# Altium PCB Inverter.PcbDoc (part 2 of 2)
Units mm, origin at the board's own origin, x right, y up, seen from the top; angles counter-clockwise.
Board outline 174 x 124 mm, 2 copper layers (Top Layer, Bottom Layer); 82 components, 224 nets, 236 pads, 107 vias.
Unrouted connection lines stored in the file: 52.
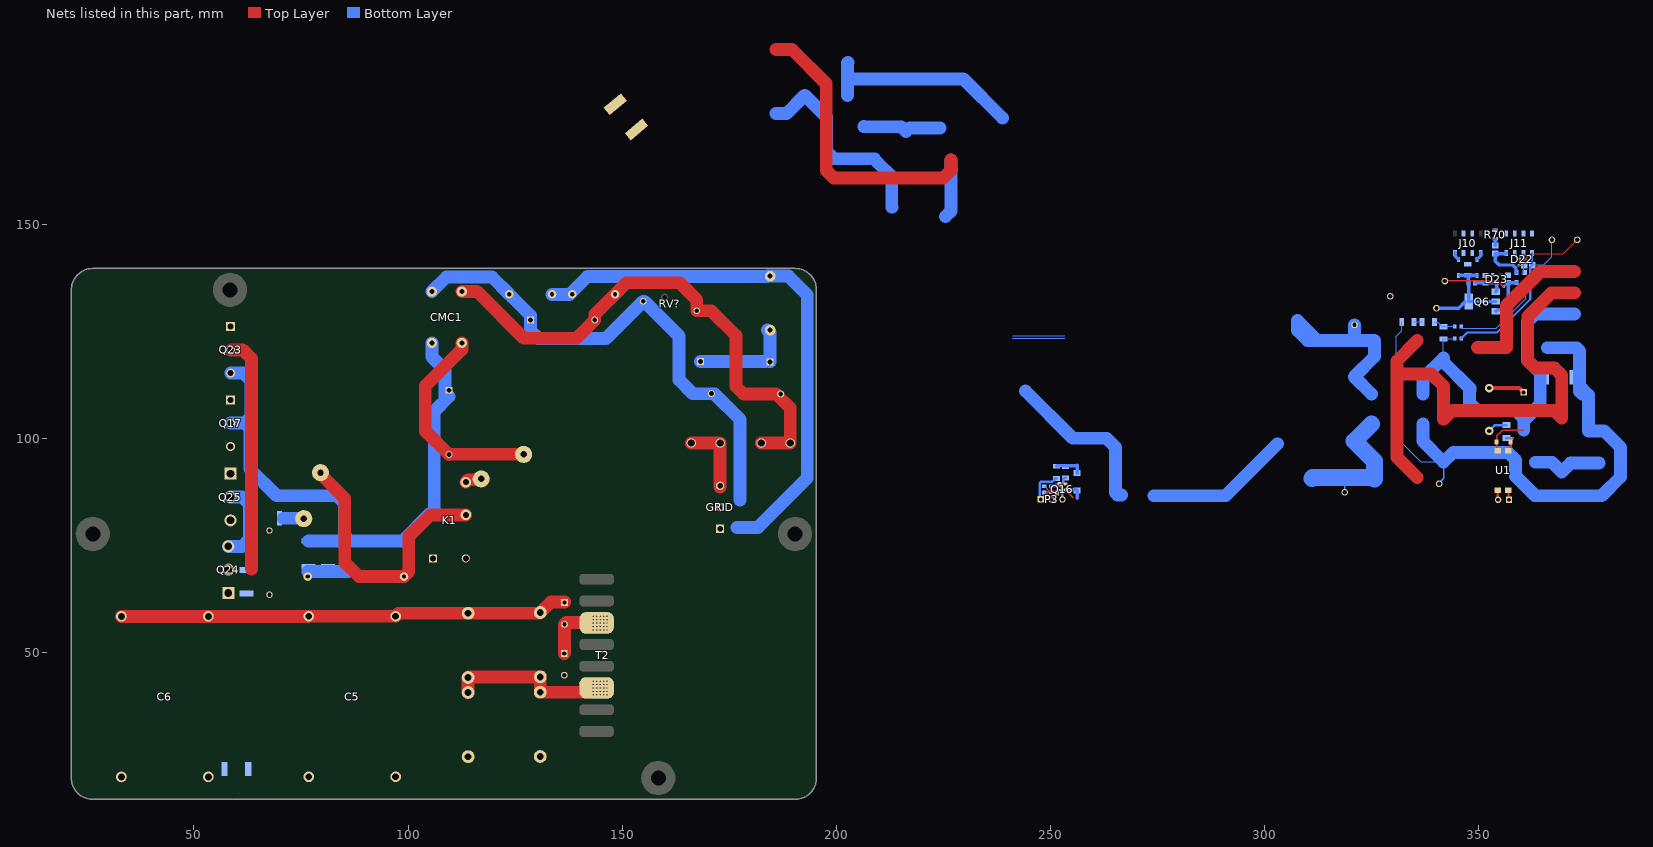
[diagram p2: the nets of this part, all layers, seen from the top]

## Part data (continued)
Q24 Q25: library part CMP-2000-06042-1, "Silicon Carbide Power MOSFET C2M(TM) MOSFET Technology, 1200 V, 90 A, -55 to 150 degC, 3-Pin TO-247, RoHS, Tube", Id - Continuous Drain Current=90A, Manufacturer=Cree,Inc., Maximum Operating Temperature=+150C, Minimum Operating Temperature=-55C, Package / Case=TO-247-3, Package Description="3-Pin Flange Mount, Vertical Straight Lead, Body 15.94 x 5.02 mm, Pitch 5.44 mm", Pd - Power Dissipation=463W, Rds On - Drain-Source Resistance=25mOhms, Vds - Drain-Source Breakdown Voltage=1200V, Vgs - Gate-Source Voltage=-10V,+25V, Vgs th - Gate-Source Threshold Voltage=2.4V, Brand=Cree,Inc., Channel Mode=Enhancement, Configuration=Single, Datasheet URL=http://www.wolfspeed.com/media/downloads/161/C2M0025120D.pdf, Datasheet Version="Rev. B, 10/2015", Factory Pack Quantity=30, Fall Time=28.4ns, Forward Transconductance - Min=23.6S, Height=21.1mm, Id=90A, Length=5.21mm, Manufacturer URL=http://www.cree.com/, Mounting Style=ThroughHole, Mounting Technology=ThroughHole, Number of Channels=1Channel, Package Reference=TO-247-3, Packaging=Tube, Product=PowerMOSFET, Product Category=MOSFET, Qg - Gate Charge=406nC, RDS(on)=0.025Ohm, Rise Time=31.6ns, RoHS=True, Technology=SiC, Transistor Polarity=N-Channel, Transistor Type=1N-Channel, Trr=32ns, Type=SiliconCarbidePowerMOSFET, Typical Turn-Off Delay Time=28.8ns, Typical Turn-On Delay Time=14.4ns, Unit Weight=1.340411oz, Vdss=1200V, Vgss=20V, Vth=2.6V, Width=16.13mm
R1: library part CMP-2100-03616-1, "Chip Resistor, 1 KOhm, +/- 1%, 0.25 W, -55 to 155 degC, 1206 (3216 Metric), RoHS, Tape and Reel", Case Code (Imperial)=1206, Case Code (Metric)=3216, Manufacturer="Vishay Semiconductor", Manufacturer Part Number=CRCW12061K00FKEA, Max Operating Temperature=155degC, Max Power Dissipation=250mW, Min Operating Temperature=-55degC, Package Description="2-Pin Surface Mount Device, Body 3.15 x 1.6 mm", Package Quantity=10, Package Reference=1206.0, Resistance=1KOhm, Supplier Part Number 1=541-1.00KFCT-ND, Temperature coefficient=100ppm/degreesC, Tolerance=1%, Voltage Rating=200V, Case/Package=1206, Category="Chip SMD Resistors", ComponentLink1Description=https://datasheet.ciiva.com/11809/0900766b80d98b5e-11809896.pdf?src-supplier=RSComponents, ComponentLink1URL=https://datasheet.ciiva.com/11809/0900766b80d98b5e-11809896.pdf?src-supplier=RSComponents, ComponentLink2Description=https://datasheet.ciiva.com/9109/dcrcwe3-9109926.pdf?src-supplier=Avnet, ComponentLink2URL=https://datasheet.ciiva.com/9109/dcrcwe3-9109926.pdf?src-supplier=Avnet, ComponentLink3Description=https://datasheet.ciiva.com/6541/dcrcwe3-6541976.pdf?src-supplier=Digi-Key, ComponentLink3URL=https://datasheet.ciiva.com/6541/dcrcwe3-6541976.pdf?src-supplier=Digi-Key, ComponentLink4Description=https://datasheet.ciiva.com/6541/dcrcwe3-6541977.pdf?src-supplier=Digi-Key, ComponentLink4URL=https://datasheet.ciiva.com/6541/dcrcwe3-6541977.pdf?src-supplier=Digi-Key, ComponentLink5Description=https://datasheet.ciiva.com/5549/dcrcwe3-109170-5549546.pdf?src-supplier=Mouser, ComponentLink5URL=https://datasheet.ciiva.com/5549/dcrcwe3-109170-5549546.pdf?src-supplier=Mouser, ComponentLink6Description=https://datasheet.ciiva.com/6541/dcrcwe3-6541978.pdf?src-supplier=Digi-Key, ComponentLink6URL=https://datasheet.ciiva.com/6541/dcrcwe3-6541978.pdf?src-supplier=Digi-Key, ComponentLink7Description=https://datasheet.ciiva.com/46441/1720486-46441629.pdf?src-supplier=Element14, ComponentLink7URL=https://datasheet.ciiva.com/46441/1720486-46441629.pdf?src-supplier=Element14, ComponentLink8Description=https://datasheet.ciiva.com/46441/1720486-46441630.pdf?src-supplier=Element14, ComponentLink8URL=https://datasheet.ciiva.com/46441/1720486-46441630.pdf?src-supplier=Element14, Composition=ThickFilm, Contact Plating=Tin, Datasheet URL=http://www.farnell.com/datasheets/1720486.pdf, Datasheet Version=41061.0, Depth=1.6mm, Features="Automotive AEC-Q200", Height=0.55mm, Lead Free=LeadFree, Length=3.2mm, Manufacturer URL=http://www.vishay.com/, Military Standard=Not, Mount=SurfaceMount, Number of Pins=2, Number of Terminations=2, Packaging=TapeandReel, Power Rating=250mW, Pricing 1="1=0.10000, 10=0.07600, 100=0.02930, 1000=0.01287, 2500=0.01112 (USD)", Radiation Hardening=No, REACH SVHC=Unknown, RoHS=Yes, RoHSCompliant=true, Stock 1=410759, Supplier 1=Digi-Key, Termination=SMD/SMT, Voltage Rating (DC)=200V, Weight=0.000353oz, Width=0.063inch
R2: library part CMP-1018-00146-1, "1M 1W 5% 2512 (6432 Metric)  SMD", Case-EIA=2512, Case-Metric=6432, Power="1 W", Tolerance="5 %", Technology=SMT
R4: library part CMP-1659-00020-2, "Chip Resistor, 330 Ohm, +/- 1%, 0.1 W, -55 to 155 degC, 0603 (1608 Metric), RoHS, Tape and Reel", Capacitance="47 uF", Case Code (Imperial)=2917, Case Code (Metric)=7343, Manufacturer=Yageo, Manufacturer Part Number=RC0603FR-07330RL, Max Operating Temperature=125degC, Max Power Dissipation=100mW, Min Operating Temperature=-55degC, Package Quantity=500, Resistance=330R, Supplier Part Number 1=311-330HRCT-ND, Temperature coefficient=100ppm/°C, Tolerance=10%, Voltage Rating="16 V", Case/Package=2917, Category="Chip SMD Resistors", ComponentLink1Description="Manufacturer URL", ComponentLink1URL=http://www.yageo.com/, ComponentLink2Description=Datasheet, ComponentLink2URL=http://www.yageo.com/documents/recent/PYu-RC_Group_51_RoHS_L_04.pdf, ComponentLink3Description=https://datasheet.ciiva.com/11819/0900766b80f96399-11819327.pdf?src-supplier=RSComponents, ComponentLink3URL=https://datasheet.ciiva.com/11819/0900766b80f96399-11819327.pdf?src-supplier=RSComponents, ComponentLink4Description=https://datasheet.ciiva.com/2454/pyu-r-int-thick-7-2454864.pdf?src-supplier=Digi-Key, ComponentLink4URL=https://datasheet.ciiva.com/2454/pyu-r-int-thick-7-2454864.pdf?src-supplier=Digi-Key, ComponentLink5Description=https://datasheet.ciiva.com/2454/pyu-r-int-thick-7-2454865.pdf?src-supplier=Digi-Key, ComponentLink5URL=https://datasheet.ciiva.com/2454/pyu-r-int-thick-7-2454865.pdf?src-supplier=Digi-Key, ComponentLink6Description=https://datasheet.ciiva.com/2454/pyu-r-int-thick-7-2454866.pdf?src-supplier=Digi-Key, ComponentLink6URL=https://datasheet.ciiva.com/2454/pyu-r-int-thick-7-2454866.pdf?src-supplier=Digi-Key, ComponentLink7Description=https://datasheet.ciiva.com/12555/rc0603-272842-12555334.pdf?src-supplier=Mouser, ComponentLink7URL=https://datasheet.ciiva.com/12555/rc0603-272842-12555334.pdf?src-supplier=Mouser, ComponentLink8Description=https://datasheet.ciiva.com/46440/1868787-46440904.pdf?src-supplier=Element14, ComponentLink8URL=https://datasheet.ciiva.com/46440/1868787-46440904.pdf?src-supplier=Element14, ComponentLink9Description=https://datasheet.ciiva.com/7746/443971-7746329.pdf?src-supplier=Element14, ComponentLink9URL=https://datasheet.ciiva.com/7746/443971-7746329.pdf?src-supplier=Element14, ComponentLink10Description=https://datasheet.ciiva.com/7746/443971-7746330.pdf?src-supplier=Element14, ComponentLink10URL=https://datasheet.ciiva.com/7746/443971-7746330.pdf?src-supplier=Element14, ComponentLink11Description=https://datasheet.ciiva.com/7746/1686128-7746331.pdf?src-supplier=Element14, ComponentLink11URL=https://datasheet.ciiva.com/7746/1686128-7746331.pdf?src-supplier=Element14, Composition="Thick Film", DatasheetVersion="Rev. 4, 02/2016", Depth=0.8mm, ESR="800 mohm", Features="Moisture Resistant", Height="3.1 mm", Lead Free="Lead Free", Length="7.3 mm", Mount="Surface Mount", Number of Pins=2, Number of Terminations=2, PackageDescription="2-Pin Surface Mount Device, Body 1.6 x 0.8 mm", PackageReference=0603, Packaging="Tape and Reel", Pins=2, Power Rating=100mW, Pricing 1="1=0.10000, 10=0.02300, 100=0.00940, 1000=0.00421, 2500=0.00366 (USD)", Radiation Hardening=No, REACH SVHC="No SVHC", RoHS=Yes, RoHSCompliant=True, Stock 1=4209654, Supplier 1=Digi-Key, Termination=SMD/SMT, Voltage Rating (DC)="16 V", Width="4.3 mm"
R5a R6a: library part CMP-2000-07420-1, "Chip Resistor, 50 mOhm, +/- 1%, 1 W, -65 to 170 degC, 2512 (6432 Metric), RoHS, Tape and Reel", Manufacturer=Vishay, Package Description="2-Pin Surface Mount Device, Body 6.35 x 3.18 mm", Package Reference=2512, Power Rating=1W, Resistance=0.05ohm, Resistance Tolerance=±1%, Resistor Case Style=2512[6432Metric], Resistor Element Type=MetalStrip, Temperature coefficient=±75ppm/°C, Automotive Qualification Standard=AEC-Q200, Datasheet URL=http://www.vishay.com/docs/30100/wsl.pdf, Datasheet Version=07/2016, Manufacturer URL=http://www.vishay.com/, Mounting Technology=SurfaceMount, MSL=MSL1-Unlimited, Packaging=CutTape, Product Range=WSLSeries, SVHC=NoSVHC(15-Jun-2015)
R7 R8 R9 R78: library part CMP-1018-00397-1, "0.025R 1W 1% 2512 (6432 Metric)  SMD", Case-EIA=2512, Case-Metric=6432, Power="1 W", Tolerance="1 %", Technology=SMT
R25 R27: library part CMP-1014-00867-1, "1M5 0.25W 1% 1206 (3216 Metric)  SMD", Case-EIA=1206, Case-Metric=3216, Power="0.25 W", Tolerance="1 %", Technology=SMT
R28 R30: library part CMP-2100-03667-1, "Chip Resistor, 0 Ohm, +/- 5%, 0.1 W, -55 to 155 degC, 0603 (1608 Metric), RoHS, Tape and Reel", Case Code (Imperial)=0603, Case Code (Metric)=1608, Manufacturer=Yageo, Max Operating Temperature=155degC, Min Operating Temperature=-55degC, Package Description="2-Pin Surface Mount Device, Body 1.6 x 0.8 mm", Package Quantity=5000, Power Rating=100mW, Resistance=0mOhm, Temperature coefficient=200ppm/degreesC, Tolerance=5%, Voltage Rating=50V, Case/Package=0603, Composition=ThickFilm, Contact Plating=Tin, Datasheet URL=http://www.yageo.com/NewPortal/yageodocoutput?fileName=/pdf/R-Chip/PYu-RC_Group_51_RoHS_L_5.pdf, Datasheet Version="Rev. 5, 10/2016", Depth=0.8mm, Height=0.45mm, Lead Free=LeadFree, Length=1.6mm, Manufacturer URL=http://www.yageo.com/, Military Standard=Not, Number of Pins=2, Package Reference=0603, Packaging=TapeandReel, Radiation Hardening=No, REACH SVHC=NoSVHC, RoHSCompliant=true, Termination=SMD/SMT, Voltage Rating (DC)=50V, Width=0.8mm
R29: library part CMP-2003-02667-1, Manufacturer=Susumu, Part Number=RG3216P-1002-B-T5
R37 R38: library part CMP-2000-07379-1, "Metal-Oxide Varistor, 275 VAC, 450 pF, -55 to 85 degC, 2-Pin THD, RoHS, Tape and Reel", Capacitance=450pF, Clamping Voltage-Max=710V, Manufacturer=Littelfuse, Package Description="4-Pin Through Hole Device, Body 17 x 5.6 mm, Pitch 7.5 mm", Peak Output Current=4500A, Rated Voltage=369V, RMS Voltage-Max=275V, Datasheet URL=http://www.littelfuse.com/~/media/electronics/datasheets/varistors/littelfuse_varistor_la_datasheet.pdf.pdf, Datasheet Version=11/2015, Manufacturer URL=http://www.littelfuse.com/, Mounting Technology=ThroughHole, Package Reference=V275LA20AP
R41: library part CMP-2001-00558-1, Case Code (Imperial)=0805, Case Code (Metric)=2012, Manufacturer=Panasonic, Manufacturer Part Number=ERJ-6ENF5601V, Max Operating Temperature=155°C, Max Power Dissipation=125mW, Min Operating Temperature=-55°C, Package Quantity=1, Part Number=ERJ6ENF5601V, Resistance=5.6kR, Supplier Part Number 1=P5.60KCCT-ND, Temperature coefficient=100ppm/°C, Tolerance=1%, Voltage Rating=150V, Case/Package=0805, Category="Chip SMD Resistors", ComponentLink1Description=https://datasheet.ciiva.com/11821/0900766b80f80784-11821697.pdf?src-supplier=RSComponents, ComponentLink1URL=https://datasheet.ciiva.com/11821/0900766b80f80784-11821697.pdf?src-supplier=RSComponents, ComponentLink2Description=https://datasheet.ciiva.com/17212/aoa0000ce2-17212901.pdf?src-supplier=Avnet+Europe, ComponentLink2URL=https://datasheet.ciiva.com/17212/aoa0000ce2-17212901.pdf?src-supplier=Avnet+Europe, ComponentLink3Description=https://datasheet.ciiva.com/22737/426256-22737287.pdf?src-supplier=Element14, ComponentLink3URL=https://datasheet.ciiva.com/22737/426256-22737287.pdf?src-supplier=Element14, ComponentLink4Description=https://datasheet.ciiva.com/46420/1678782-46420327.pdf?src-supplier=Element14, ComponentLink4URL=https://datasheet.ciiva.com/46420/1678782-46420327.pdf?src-supplier=Element14, ComponentLink5Description=https://datasheet.ciiva.com/9195/aoa0000ce2-9195464.pdf?src-supplier=Avnet, ComponentLink5URL=https://datasheet.ciiva.com/9195/aoa0000ce2-9195464.pdf?src-supplier=Avnet, ComponentLink6Description=https://datasheet.ciiva.com/16784/70260748-16784840.pdf?src-supplier=Allied+Electronics, ComponentLink6URL=https://datasheet.ciiva.com/16784/70260748-16784840.pdf?src-supplier=Allied+Electronics, ComponentLink7Description=https://datasheet.ciiva.com/6138/426256-6138793.pdf?src-supplier=Farnell, ComponentLink7URL=https://datasheet.ciiva.com/6138/426256-6138793.pdf?src-supplier=Farnell, ComponentLink8Description=https://datasheet.ciiva.com/16771/70260748-16771098.pdf?src-supplier=Allied+Electronics, ComponentLink8URL=https://datasheet.ciiva.com/16771/70260748-16771098.pdf?src-supplier=Allied+Electronics, ComponentLink9Description=https://datasheet.ciiva.com/16512/aoa0000ce2-16512011.pdf?src-supplier=Avnet+Asia, ComponentLink9URL=https://datasheet.ciiva.com/16512/aoa0000ce2-16512011.pdf?src-supplier=Avnet+Asia, ComponentLink10Description=https://datasheet.ciiva.com/22673/1678782-22673707.pdf?src-supplier=Element14, ComponentLink10URL=https://datasheet.ciiva.com/22673/1678782-22673707.pdf?src-supplier=Element14, ComponentLink11Description=https://datasheet.ciiva.com/24024/aoa0000ce2-24024829.pdf?src-supplier=Mouser, ComponentLink11URL=https://datasheet.ciiva.com/24024/aoa0000ce2-24024829.pdf?src-supplier=Mouser, ComponentLink12Description=https://datasheet.ciiva.com/30195/aoa0000ce2-30195103.pdf?src-supplier=Onlinecomponents.com, ComponentLink12URL=https://datasheet.ciiva.com/30195/aoa0000ce2-30195103.pdf?src-supplier=Onlinecomponents.com, Composition="Thick Film", Contact Plating=Tin, Depth=1.25mm, Features="Automotive AEC-Q200", Height=0.6mm, Lead Free="Lead Free", Length=2mm, Military Standard=Not, Mount="Surface Mount", Number of Pins=2, Number of Terminations=2, Packaging="Tape and Reel", Power Rating=125mW, Pricing 1="1=0.10000, 10=0.07200, 100=0.02750, 1000=0.01210, 2500=0.01045 (USD)", Radiation Hardening=No, REACH SVHC="No SVHC", RoHS=Yes, Stock 1=87265, Supplier 1=Digi-Key, Termination=SMD/SMT, Voltage Rating (DC)=150V, Width=0.049inch
R43: library part CMP-2003-00635-1, Manufacturer=Panasonic, Part Number=ERJ-8GEYJ471V
R48: library part CMP-2000-00772-1, Manufacturer=Panasonic, Part Number=ERJ-3GEYJ331V
R50: library part CMP-2000-00705-1, Manufacturer=Panasonic, Part Number=ERJ-3GEYJ104V
R70: library part RES-2, "Chip Resistor, 0 Ohm, +/- 5%, 125 mW, -55 to 155 degC, 0805 (2012 Metric), RoHS, Tape and Reel", Case Code (Imperial)=0805, Case Code (Metric)=2012, Manufacturer="Basic Passives", Max Operating Temperature="155 degC", Min Operating Temperature="-55 degC", Package Quantity=5000, PartNumber=ERJ-6GEY0R00V, Power Rating="125 mW", Resistance="0 Ohm", Tolerance=5%, Voltage Rating="150 V", Case\/Package=0805, ComponentLink1Description="Manufacturer URL", ComponentLink1URL=http://www.panasonic.com/, ComponentLink2Description=Datasheet, ComponentLink2URL=http://industrial.panasonic.com/cdbs/www-data/pdf/RDA0000/AOA0000C84.pdf, DatasheetVersion=03/2015, Height="0.6 mm", Length="2 mm", Mount="Surface Mount", Mounting Technology="Surface Mount", PackageDescription="2-Pin Surface Mount Device, Body 2 x 1.25 mm", PackageReference=0805, Packaging="Tape and Reel", Pins=2, Radiation Hardening=No, REACH SVHC="No SVHC", RoHSCompliant=true, Width="1.25 mm"
RELAY: library part CMP-1426-00002-1, "SMD mono-color Chip LED, WL-SMCW, Green", Color=Green, Manufacturer="Wuerth Elektronik", ComponentLink1Description="Manufacturer URL", ComponentLink1URL=http://www.we-online.com, ComponentLink2Description=Datasheet, ComponentLink2URL=http://katalog.we-online.com/led/datasheet/150060GS75000.pdf, PackageReference=0603_A, PartNumber=150060GS75000
RV?: "Varistor", Manufacturer_Name=TDK, Mouser Part Number=871-B72220W2271K101, Arrow Part Number=B72220W2271K101, Arrow Price/Stock=https://www.arrow.com/en/products/b72220w2271k101/epcos-tdk, Datasheet Link=https://www.arrow.com/en/products/b72220w2271k101/epcos-tdk, Height=28mm, Manufacturer_Part_Number=B72220W2271K101, Mouser Price/Stock=https://www.mouser.co.uk/ProductDetail/EPCOS-TDK/B72220W2271K101?qs=MLItCLRbWsyJpqc0ycUBjw%3D%3D
T2: library part TI-ETD39-200V-2A-LLC, "Lr=1.9uH / Lm=10.2uH / n=5.7 / Vin=30-40V / Vout=200V"
TP1 TP2 TP11 TP12 TP14 TP15 TP25 TP26: library part CMP-2000-05182-1, "Test Point, White, 1-Pin THD, RoHS, Bulk", Color=White, Manufacturer=KeystoneElectronics, Brand=KeystoneElectronics, Contact Material=PhosphorBronze, Datasheet URL=https://ciiva.com/datasheet-click-2917627?src=ciiva&sig=bd195616, Datasheet Version="Rev. G, 12/2008", Length=7.62mm, Manufacturer URL=http://www.keyelco.com/, Material=Nylon, Mounting Hole Size=1mm, Outside Diameter=2.54mm, Packaging=Bulk, Plating=Silver, Product=TestPoints, Product Category=CircuitBoardHardware-PCB, RoHS=True, Type=Miniature
U1: library part CMP-2000-06278-1, "Phototransistor Optocoupler, 1.2 V, -55 to 110 degC, 4-Pin SMT, RoHS, Tape and Reel", Collector Current (DC)=0.05A, Collector-Emitter Saturation Voltage=0.2V, Collector-Emitter Voltage=70V, Current Transfer Ratio=160%, Forward Current=50mA, Forward Voltage=1.4V, Isolation Voltage=5000V, Manufacturer="Fairchild Semiconductor", Operating Temp Range=-55Cto110C, Operating Temperature Classification=Industrial, Package Description="4-Pin Surface Mount Device, Body 6.5 x 4.6 mm, Pitch 2.54 mm", Package Reference=SMT-4, Package Type=PDIP-BSMD, Power Dissipation=0.2W, Reverse Breakdown Voltage=6V, Collector Current (DC) (Max)=0.05A, Datasheet URL=https://www.fairchildsemi.com/datasheets/FO/FOD814A.pdf, Datasheet Version="Rev. 2.8, 11/2015", DELETED=Compliant, Fall Time=18000ns, Input Type=DC, Manufacturer URL=https://www.fairchildsemi.com/, Mounting=SurfaceMount, Mounting Technology=SurfaceMount, Number of  Elements=1, Output Device=Transistor, Output Type=DC, Package URL=https://www.fairchildsemi.com/package-drawings/N0/N04C.pdf, Packaging=TapeandReel, Pin Count=4, Rad Hardened=No, Rise Time=18000ns
VM: "Header, 2-Pin", LatestRevisionDate=17-Jul-2002, LatestRevisionNote="Re-released for DXP Platform.", Publisher="Altium Limited"
VAR3: LatestRevisionDate=17-Jul-2002, LatestRevisionNote="Re-released for DXP Platform.", Publisher="Altium Limited"

## Free pads (board coordinates)
  rect 1.5x1.5 hole 4: 19(227.375,100.95) 20(211.1,68.7) 21(274.475,113.8) 22(287.625,111.5)
  round 8 hole 3.5: H2(58.425,134.625) H4(158.425,20.625) H5(190.375,77.625) H6(26.375,77.625)

## Via types
v1: diameter 0.6, hole 0.3, Top Layer to Bottom Layer, tented both sides, 107 vias

## Nets (pads, with @x,y where several pads share a name; then routed paths per layer and width w, separated by ;. In a path a pad name is that pad's centre, name@x,y a point inside that pad or via, vN(x,y) a via of type N, cw(c..) or ccw(c..) an arc to the next point about the centre after c; other vN are vias at no path point)
ADC1_IN1: 
ADC_TRIG: 
AHV_GND: C1.2 C3.2 C5.2 C6.2 C8.1 D4.2 Q17.3 Q25.3 R6a.1 R6a.2
AUX_OUT: 
BOTT_IGBT_DRV: 
BOTT_MOS_DRV: 
COMP2_OUT_OCD: 
COMP4_OUT_OVD: 
COMP4_VINP: 
DRV_EN: 
"EARTH GND": C35.1 C37.2 GDT1.2 GRID.2 | length 301.7
  Top Layer w3: 335.675,90.775 330.925,95.525 330.925,114.625 ; 335.675,122.775 330.925,118.025 330.925,114.625 ; 366.6,106.45 343.875,106.45 341.825,104.4 341.8,104.425 341.8,112.15 338.95,115 331.3,115 330.925,114.625 ; 367.65,106.45 369.4,104.7 369.4,114.668 367.718,116.35 363.24,116.35 361.483,118.107 361.483,128.408 367.025,133.95 372.375,133.95
  Bottom Layer w3: C37.2@133.625,133.525 137.725,133.525 141.925,137.725 GDT1.2@183.95,137.725 ; 176.775,79.125 181.675,79.125 193.225,90.675 193.225,133.45 188.85,137.825 GDT1.2@183.95,137.825 ; 202.625,180.05 202.625,183.85 ; 202.7,187.725 202.625,187.65 202.625,183.85 ; 238.8,174.75 229.65,183.9 215.975,183.9 215.925,183.85 202.625,183.85
GND: C38.1 P3.3 Q16.2 R50.1 U1.3 VM.2 | length 11.2
  Top Layer w0.6: U1.3@354.43,87.85 354.495,87.785 354.495,85.665 VM.2@354.56,85.6
  Bottom Layer w0.6: R50.1@250.125,88.725 250.225,88.825 251.425,88.825 251.675,89.075 252.375,89.075 253,89.7 253,90.45 253.25,90.7 C38.1@253.55,90.7 ; Q16.2@251.525,88.925 251.675,88.775 252.464,88.775 252.815,88.424 P3.3@252.815,85.675
HV_MID_MOS: Q24.3 Q25.2 R78.1 | length 31.1
  Bottom Layer w0.254: 241.25,123.875 253.401,123.875
  Bottom Layer w3: Q24.3@58.025,74.715 61.215,74.715 63,76.5 63,80.7 63,84.483 61.243,86.24 Q25.2@58.525,86.24
isoADC_TRIG: 
isoGND: 
isoSPI1_MISO: 
isoSPI1_MOSI: 
isoSPI1_SCK: 
isoV_3V3A: 
L_GRID: C17.2 C35.2 CMC1.3 F1.1 F1.2 R2.2 R25.2 R37.2 RV?.1 TP26.1 | length 322.7
  Top Layer w3: CMC1.3@112.55,134.225 116.125,134.225 127.025,123.325 139.35,123.325 C17.2@143.6,127.575 143.6,128.875 C35.2@148.325,133.6 151.025,136.3 163.425,136.3 167.4,132.325 RV?.1@167.4,129.75 170.75,129.75 176.55,123.95 176.55,112.082 178.307,110.325 185.95,110.325 189.243,107.032 F1.2@189.243,98.838 F1.1@182.483,98.838
  Bottom Layer w0.254: R25.2@332.05,127.125 332.05,125.1 330.775,123.825 330.775,100.175 336.525,94.425 341.8,94.425 341.825,94.4
  Bottom Layer w0.3: TP26.1@340.775,89.35 340.775,89.633 341.825,90.683 341.825,94.4
  Bottom Layer w3: 185.9,175.775 188.35,175.775 192.625,180.05 197.675,175 197.675,167.007 199.432,165.25 208.9,165.25 ; 209.6,164.375 212.95,161.025 212.95,153.95 212.975,153.925 ; 336.975,103.3 336.975,99.3 341.825,94.45 341.825,94.4 344.075,96.65 356.893,96.65 358.65,94.893 358.65,91.082 363.207,86.525 378.775,86.525 383.157,90.907 383.157,97.843 379.3,101.7 375.625,101.7 375.625,110.1 374.25,111.475 ; 366.083,121.113 372.843,121.113 373.6,120.356 373.6,110.9 374.25,110.25
L_GRID_MAINS: F2.1 F2.2 GRID.3 | length 52.8
  Top Layer w3: F2.1@166.12,98.85 F2.2@172.88,98.85 GRID.3@172.88,88.57 ; 349.72,121.125 356.48,121.125 356.48,130.93 364.5,138.95 372.375,138.95
N_GRID: C17.1 C37.1 CMC1.4 D1.2 GRID.1 R2.1 R30.1 R38.2 RV?.3 U1.2 | length 298.4
  Top Layer w0.4: U1.2@354.43,97.05 354.215,97.265 D1.2@354.215,99.1 354.215,100.49 355.575,101.85 360.525,101.85
  Top Layer w3: 185.9,190.775 189.65,190.775 197.65,182.775 197.65,162.507 199.407,160.75 224.993,160.75 226.75,162.507 226.75,164.925
  Bottom Layer w0.254: 340.77,119.648 341.693,118.725 341.8,118.725 341.8,123.15 341.898,123.248 R30.1@344.425,123.248
  Bottom Layer w3: CMC1.4@105.55,134.225 108.975,137.65 119.575,137.65 C37.1@123.625,133.6 ; C37.1@124.275,132.95 128.6,128.625 C17.1@128.6,127.575 128.6,125.1 130.4,123.3 146.25,123.3 RV?.3@154.9,131.95 155.125,131.95 163.3,123.775 163.3,113.575 166.5,110.375 171.525,110.375 177.55,104.35 177.55,85.525 ; 225.475,151.725 226.75,153 226.75,164.925 ; 336.975,110.3 336.975,113.875 341.8,118.7 ; 341.8,118.725 341.8,118.7 ; 360.525,101.85 360.525,104.075 364.412,107.962 364.412,112.412 ; 360.525,104.575 358.625,106.475 349.669,106.475 347.911,108.232 347.911,111.143 347.95,111.181 347.95,111.65 341.8,117.8 341.8,118.7 ; 364.395,112.72 364.395,115.205 361.4,118.2 361.4,127.193 363.157,128.95 372.375,128.95
NetC1_1: C1.1 C2.2 C3.1 C4.2 T2.11 | length 38.6
  Top Layer w3: C3.1@114.025,40.6 C4.2@114.025,44.1 114.175,44.25 C2.2@130.875,44.25 C1.1@130.875,40.9 ; C1.1@130.85,40.65 139.781,40.65 139.783,40.652 142.238,40.652 v1(143.238,41.652)
  Top Layer w4: T2.11@142.038,41.475 142.215,41.652 v1(143.238,41.652) v1(144.038,41.652)
  other v1: 143.25,40.05 144.05,40.05 144.875,40.05 145.675,40.05 146.475,40.05 143.25,40.85 144.05,40.85 144.875,40.85 145.675,40.85 146.475,40.85 144.863,41.652 145.663,41.652 146.463,41.652 143.25,42.45 144.05,42.45 144.875,42.45 145.675,42.45 146.475,42.45 143.25,43.25 144.05,43.25 144.875,43.25 145.675,43.25 146.475,43.25
NetC2_1: C2.1 C4.1 C5.1 C6.1 C8.2 D3.1 R5a.1 | length 104.7
  Top Layer w3: C6.1@33.05,58.375 C5.1@76.77,58.375 ; C5.1@76.8,58.405 C5.1@97.1,58.405 97.795,59.1 C2.1@130.725,59.1 ; C2.1@130.875,59.25 133.375,61.75 D3.1@136.6,61.75
NetC10_1: 
NetC10_2: Q6.2 Q6.4
NetC11_1: L10.1
NetC11_2: 
NetC12_2: 
NetC13_1: 
NetC14_1: C14.1 R1.2 | length 4.6
  Bottom Layer w0.6: C14.1@352.475,101.675 353.85,103.05 R1.2@356.475,103.05
NetC14_2: C14.2 VAR3.1 | length 8.2
  Top Layer w1: C14.2@352.75,111.7 359.475,111.7 VAR3.1@360.5,110.675
NetC15_1: C16.1 CMC1.1 Q17.2 Q23.3 R7.1 R8.1 R9.1 TP15.1 | length 186.3
  Bottom Layer w3: Q17.2@58.55,103.5 61.768,103.5 ; Q23.3@58.575,115.175 61.568,115.175 63.325,113.418 63.325,105.057 61.768,103.5 ; R9.1@76.75,75.975 76.763,75.988 81.3,75.988 85.737,75.988 R7.1@85.75,76 ; 105.2,82.45 98.75,76 R7.1@85.75,76 ; CMC1.1@105.55,122.225 105.55,119 108.65,115.9 108.65,109.7 ; 106.1,82.45 106.1,106.25 109.55,109.7 ; TP15.1@321.025,126.45 321,126.425 321,122.775 ; 324.975,110.3 320.95,114.325 325.675,119.05 325.675,122.775 321,122.775 ; 61.768,103.5 63.075,102.193 63.075,92.8 69.325,86.55 83.443,86.55 85.2,84.793 85.2,77.25 85.75,76.7 R7.1@85.75,76 ; 312.4,122.775 321,122.775 ; 312.4,122.775 310.053,122.775 307.71,125.118 307.71,127.465 312.4,122.775
NetC15_2: TP14.1
NetC16_2: C16.2 CMC1.2 L3.1 TP25.1 | length 83.1
  Top Layer w3: C16.2@109.55,96.175 104.025,101.7 104.025,112.15 112.55,120.675 CMC1.2@112.55,122.225 ; C16.2@109.85,96.225 L3.1@126.519,96.225
  Bottom Layer w0.3: TP25.1@318.75,87.35 318.75,90.775
  Bottom Layer w4: 311.096,90.604 311.267,90.775 318.75,90.775 325.675,90.775 ; 324.975,103.3 321,99.325 320.95,99.325 325.675,94.6 325.675,90.775 ; 325.675,90.45 325.675,90.775
NetC18_2: 
NetC26_2: 
NetC27_2: 
NetC28_1: 
NetC28_2: 
NetC29_1: 
NetC29_2: 
NetC31_1: 
NetC31_2: 
NetC32_2: 
NetC33_1: C33.1 R7.2 R8.2 R9.2 | length 9.4
  Bottom Layer w3: 76.55,68.85 81.3,68.85 85.95,68.85
NetC33_2: C33.2 K1.3 L2.1 | length 101.7
  Top Layer w3: L2.1@79.538,91.614 85.225,85.927 85.225,70.975 88.525,67.675 C33.2@99.05,67.675 100.15,68.775 100.15,77 105.225,82.075 K1.3@113.475,82.075
  Bottom Layer w3: 244.196,110.985 255.207,99.975 ; 254.825,100.425 255.275,99.975 ; 256.275,99.975 263.075,99.975 265.175,97.875 265.175,87.225 265.675,86.725 266.6,86.725
NetC38_2: C38.2 D10.2 K1.1 R43.1 | length 6.8
  Bottom Layer w0.8: R43.1@251.425,93.425 251.575,93.575 253.55,93.575 256.045,93.575 ; 256.045,93.425 256.233,93.612 ; D10.2@256.225,91.815 256.233,91.822 256.233,93.612 ; 256.24,93.62 256.233,93.612
NetC40_2: 
NetC41_1: 
NetC41_2: 
NetC42_1: 
NetC45_1: C45.1 C46.1 C47.1 C48.1 D22.1 D23.1 J10.3 J10.5 J11.2 J11.4 J11.5 J11.6 J11.7 J11.8 R30.2 R70.1 TP2.1 | length 44.2
  Bottom Layer w0.254: J11.5@360.45,143.255 360.705,143 D22.1@360.705,142.081 ; D22.1@360.65,141.85 360.768,141.732 361.726,141.732 361.875,141.583 361.875,140.925 362.35,140.45 365.175,140.45 367.125,142.4 TP2.1@367.125,146.3
  Bottom Layer w0.5: R30.2@345.95,123.275 347.3,124.625 354.241,124.625 362.05,132.434 362.05,139.925 C46.1@362.5,140.375 ; C46.1@362.45,140.55 J11.7@362.45,143.255
NetC45_2: C45.2 D23.3 R41.1 | length 7.2
  Bottom Layer w0.8: R41.1@349.175,136.275 349.188,136.262 351.613,136.262 C45.2@351.625,136.25 354.175,136.25 354.225,136.2 D23.3@354.225,136.15 354.225,134.425 354,134.2
NetC46_2: C46.2 D22.2 J11.3 L8.2 TP1.1 | length 23.4
  Top Layer w0.254: v1(359.425,140.375) 362.125,143.075 369.825,143.075 TP1.1@373.162,146.412
  Bottom Layer w0.254: J11.3@358.45,143.255 358.768,142.937 358.768,142.017 358.917,141.868 359.632,141.868 359.632,141.318 360.5,140.45 C46.2@360.5,140.375 ; v1@359.4,140.35 v1(359.425,140.375) C46.2@360.5,140.375 ; L8.2@360.5,138.65 C46.2@360.5,140.375 ; C46.2@360.65,140.375 C46.2@360.5,140.375
NetC47_2: C47.2 D20.2 D21.2 R41.2 TP11.1 | length 23.8
  Bottom Layer w0.8: TP11.1@340.15,130.35 345.338,130.35 346.825,131.837 ; D21.2@345.55,138 C47.2@347.5,138 ; C47.2@347.475,138.025 C47.2@347.5,138 ; D20.2@349.575,138 C47.2@347.5,138 ; 354,131.9 347.7,131.9 347.662,131.937 347.662,136.237 R41.2@347.625,136.275 347.55,136.35 347.55,137.95 C47.2@347.5,138
NetC48_2: C48.2 L9.1 TP12.1 | length 26.9
  Top Layer w0.3: TP12.1@342.125,136.75 354.475,136.75 v1(355.85,135.375)
  Bottom Layer w0.3: v1(355.85,135.375) 355.85,135.4 356.8,136.35 C48.2@356.9,136.35
  Bottom Layer w0.8: 354,129.6 354.35,129.95 356.431,129.95 356.9,130.419 C48.2@356.9,136.35 356.925,136.325 L9.1@358.9,136.325
NetC49_1: C49.1 R70.2 | length 1.6
  Bottom Layer w0.8: R70.2@353.9,146.55 353.913,146.55 353.913,145.013 C49.1@353.925,145
NetC49_2: C49.2 J11.1 L9.2 | length 11
  Bottom Layer w0.8: J11.1@356.45,143.255 356.45,143.145 356.405,143.1 354.275,143.1 353.975,143.1 C49.2@353.925,143.1 353.925,141.35 354.85,140.425 357.975,140.425 358.725,139.675 358.725,138.75 L9.2@358.825,138.65
NetC50_2: 
NetC52_2: R29.1
NetC62_2: 
NetC64_1: 
NetC64_2: 
NetC65_1: 
NetC66_1: 
NetC72_2: 
NetC74_2: 
NetC75_2: 
NetC79_2: 
NetC80_2: 
NetC84_2: 
NetC85_2: 
NetC86_2: 
NetC87_2: 
NetC88_1: 
NetC88_2: 
NetC91_1: 
NetC91_2: 
NetC92_1: 
NetC93_2: 
NetC94_2: 
NetC95_2: 
NetC96_1: 
NetC96_2: 
NetC?_2: 
NetD1_1: D1.1 R1.1 U1.1 | length 4.7
  Top Layer w0.6: U1.1@356.97,97.05 357.07,97.05 357.485,97.465 D1.1@357.485,99.1 357.64,99.255 357.64,99.815 v1(357.825,100)
  Bottom Layer w0.6: R1.1@356.475,100 v1(357.825,100)
NetD2_A: 
NetD3_2: D3.2 D4.1 T2.14 | length 16.7
  Top Layer w3: D4.1@136.475,49.715 136.557,49.797 136.557,56.478 D3.2@136.525,56.51 136.93,56.915 141.538,56.915 142.358,56.915 T2.14@142.358,56.092 ; T2.14@142.675,56.575 v1(143.25,56) ; T2.14@143.25,56.985 143.898,56.985 T2.14@144.038,56.845
  Bottom Layer w3: T2.14@145.169,57.137 145.461,56.845 T2.14@146.385,56.845
  other v1: 143.25,55.2 144.05,55.2 144.875,55.2 145.675,55.2 146.475,55.2 144.05,56 144.875,56 145.675,56 146.475,56 143.238,56.802 144.038,56.802 144.863,56.802 145.663,56.802 146.463,56.802 143.25,57.6 144.05,57.6 144.875,57.6 145.675,57.6 146.475,57.6 143.25,58.4 144.05,58.4 144.875,58.4 145.675,58.4 146.475,58.4
NetD5_K: 
NetD6_1: 
NetD7_1: 
NetD10_1: D10.1 K1.4 Q16.3 R4.1 | length 6.6
  Top Layer w0.3: R4.1@253.5,87.85 253.6,87.85 255.369,86.081
  Bottom Layer w0.8: Q16.3@254.05,87.975 256.035,87.975 256.233,87.778 256.233,86.007 256.24,86
NetD11_1: 
NetD12_1: 
NetD13_1: 
NetD14_1: 
NetD15_1: 
NetD19_1: 
NetD20_1: D20.1 J10.7 | length 2
  Bottom Layer w0.8: D20.1@349.625,141.75 349.625,141.9 349.775,141.9 350.455,142.58 350.455,143.21 J10.7@350.5,143.255
NetD21_1: D21.1 J10.1 | length 1.9
  Bottom Layer w0.8: J10.1@344.5,143.255 344.545,143.21 344.545,142.505 345.15,141.9 345.3,141.9 D21.1@345.3,141.75
NetD26_2: 
NetD28_3: 
NetD29_3: 
NetD?_2: K1.2 L3.2 | length 37.8
  Top Layer w3: K1.2@113.475,89.695 114.074,90.294 116.899,90.294 L3.2@117.083,90.478
  Bottom Layer w3: 274.125,86.55 290.878,86.55 303.014,98.686
NetFB5_2: 
NetGDT1_1: GDT1.1 R37.1 R38.1 | length 58.1
  Bottom Layer w3: R38.1@168.325,117.875 183.4,117.875 183.45,117.825 ; GDT1.1@183.95,125.225 184.525,124.65 R37.1@184.525,117.825 ; 206.4,172.75 206.425,172.725 215.1,172.725 216.25,171.575 217.1,172.425 224.25,172.425 ; 363.325,94.35 367.15,94.35 369.4,92.1 371.5,94.2 378.125,94.2
NetIC1_18: 
NetIC1_21: 
NetJ1_1: Q25.1
NetJ1_3: 
NetJ1_5: 
NetJ1_8: 
NetJ3_1: Q17.1
NetJ3_3: 
NetJ3_8: 
NetJ4_1: Q24.1
NetJ4_3: 
NetJ4_5: 
NetJ4_8: 
NetJ9_1: Q23.1
NetJ9_3: 
NetJ9_8: 
NetJ10_4: J10.4 J10.6
NetL2_2: L2.2 R78.2 | length 17.2
  Bottom Layer w0.254: 241.075,123.325 253.376,123.325
  Bottom Layer w3: 70.85,81.275 74.957,81.275 75.358,80.873 L2.2@75.629,80.873
NetL6_1: 
NetL8_1: L8.1 R28.2 | length 22
  Bottom Layer w0.254: R28.2@345.95,126.075 345.95,125.975 346.223,125.702 346.345,125.702 346.372,125.675 354.175,125.675 361.05,132.55 361.05,136 L8.1@360.75,136.3
NetLED1_1: 
NetOUTD1_2: 
NetOUTD1_5: 
NetQ1_1: 
NetQ1_3: 
NetQ2_3: 
NetQ3_2: 
NetQ6_1: Q6.1
NetQ7_2: 
NetQ8_3: 
NetQ9_2: 
NetQ9_5: 
NetQ10_1: 
NetQ10_3: 
NetQ12_1: 
NetQ12_2: 
NetQ12_4: 
NetQ12_5: 
NetQ13_1: 
NetQ14_1: 
NetQ14_3: 
NetQ15_1: 
NetQ16_1: Q16.1 R48.2 R50.2 | length 3.7
  Bottom Layer w0.254: R48.2@248.55,88.775 248.625,88.775 249.752,87.648 249.852,87.648 250.15,87.35 251.028,87.35 251.03,87.348 251.177,87.348 251.5,87.025 Q16.1@251.525,87.025
NetR4_2: R4.2 RELAY.1 | length 1.4
  Top Layer w0.3: RELAY.1@252.075,89.3 252.1,89.275 253.475,89.275 R4.2@253.5,89.25
NetR11_1: 
NetR23_1: 
NetR25_1: R25.1 R27.2 | length 1.8
  Bottom Layer w0.254: R25.1@334.95,127.125 336.75,127.125 R27.2@336.775,127.1
NetR27_1: R27.1 R28.1 R29.2 | length 5.3
  Bottom Layer w0.254: R27.1@339.675,127.1 339.732,127.043 340.482,127.043 341.027,126.498 341.525,126 R29.2@341.8,126 341.875,126.075 R28.1@344.45,126.075
NetR31_2: 
NetR32_2: 
NetR35_1: 
NetR55_1: 
NetR58_1: 
NetR62_2: 
NetR76_1: 
NetR80_1: 
NetR80_2: 
NetR85_1: 
NetR85_2: 
NetR86_1: 
NetR90_1: 
NetR91_1: 
NetR96_1: 
NetR108_1: 
NetR110_1: 
NetR113_1: 
NetR115_1: 
NetR118_1: 
NetR119_1: 
NetR121_1: 
NetR139_2: 
NetR140_2: 
NetR141_2: 
NetR144_1: 
NetR145_1: 
NetR146_1: 
NetR147_1: 
NetR150_1: 
NetR152_1: 
NetR152_2: 
NetR153_1: 
NetR154_1: 
NetR?_1: 
NetU1_4: U1.4 VM.1 | length 2.3
  Top Layer w0.4: U1.4@356.97,87.85 356.97,85.73 VM.1@357.1,85.6
NGRID_GND: 
NRST: 
OCD_OUT: 
OPAMP1_COMP2: 
OPAMP1_OUT: 
OPAMP1_VINP_COMP2: 
OPAMP2_OUT_ADC2_IN3: 
OPAMP2_VINM: 
OPAMP2_VINP: 
OPAMP3_VINP: 
RELAY_GRID: P3.2 R48.1 | length 2.9
  Bottom Layer w0.254: 60.65,17 60.665,17 ; R48.1@248.55,87.325 248.625,87.325 P3.2@250.6,85.35
SPI1_MISO: 
SPI1_MOSI: 
SPI1_SCK: 
STATUS1: 
SWCLK: 
SWDIO: 
TOP_MOS_DRV: 
V_3isoN: 
V_3V3A: Q6.3
V_3VN: 
V_4V: 
V_5: L10.2
V_12: P3.1 R43.2 RELAY.2 | length 13.5
  Top Layer w0.3: P3.1@247.735,85.675 249.76,87.7 RELAY.2@252.075,87.7
  Bottom Layer w0.6: P3.1@247.735,85.675 247.471,85.939 247.471,89.454 247.796,89.779 250.354,89.779 251.15,90.575 R43.2@251.425,90.575
V_16isoP: 
V_400VDC: Q23.2 Q24.2 R5a.2 | length 54.8
  Top Layer w3: Q23.2@58.575,120.615 61.368,120.615 63.4,118.583 63.4,69.463
VDDB_BOTT: 
VIAMP: 
VMID: 
VMON: 
VMON_N: 
VMON_P: 
VOUT: 
pads on no net: D22.0 D23.2 J10.2 J10.8 J10.MH1 J10.MH2 J10.MH3 J10.MH4 J10.MH5 J10.MH6 J10.MH7 J10.MH8 J11.MH1 J11.MH2 J11.MH3 J11.MH4 J11.MH5 J11.MH6 J11.MH7 J11.MH8 R70.0 RV?.2 T2.9 T2.10 T2.12 T2.13 T2.15 T2.16
copper on no net:
  other v1: 144.024,30.695 143.025,30.7 145.025,30.7 143.025,31.5 144.024,31.495 145.025,31.5 144.024,32.295 143.025,32.3 145.025,32.3 143.025,35.775 144.024,35.77 145.025,35.775 143.025,36.575 144.024,36.57 145.025,36.575 143.025,37.375 144.024,37.37 145.025,37.375 143.025,45.925 144.024,45.92 145.025,45.925 144.024,46.72 143.025,46.725 145.025,46.725 143.025,47.525 144.024,47.52 145.025,47.525 143.025,51 144.024,50.995 145.025,51 143.025,51.8 144.024,51.795 145.025,51.8 143.025,52.6 144.024,52.595 145.025,52.6 143.025,61.15 144.024,61.145 145.025,61.15 143.025,61.95 144.024,61.945 145.025,61.95 143.025,62.75 144.024,62.745 145.025,62.75 143.025,66.225 144.024,66.22 145.025,66.225 143.025,67.025 144.024,67.02 145.025,67.025 143.025,67.825 144.024,67.82 145.025,67.825

## Polygon pours and split planes (outlines as drawn)
NetC45_1 on Bottom Layer "NONET_L02_P-001" (solid, remove dead copper, pour order 15): 342.35,148.25 344.45,150.35 362.125,150.35 364.525,147.95 364.525,143.3 363.8,142.575 359.375,142.575 359.375,145.225 357.725,145.225 357.725,137.5 357.325,137.1 343.975,137.1 342.35,138.725

## Other copper
Top Layer:
  rectangle: 141.025,30.7 145.025,37.375
  rectangle: 141.025,45.925 145.025,52.6
  rectangle: 141.025,61.15 145.025,67.825
Bottom Layer:
  rectangle: 141.025,30.7 145.025,37.375
  rectangle: 141.025,45.925 145.025,52.6
  rectangle: 141.025,61.15 145.025,67.825
  rectangle net NetC47_2: 341.55,128.55 352.1,135.125
  rectangle net NetC15_1: 271.1,124.275 307.325,128.4
  rectangle net NetC33_1: 264.05,117.125 288.175,122.25
  rectangle net NetL2_2: 251.15,115.725 255.825,121.7

## Silkscreen, mask and mechanical layers (free items; w line width, h text height)
Top Overlay:
  circle w0.254: c130.675,49.375 r21.5
  lines w0.254: 34.6,73 34.6,118 54.375,118 54.375,73 34.6,73
  text "N    PE    L" at 379.175,128.45 h3 r90
  text "M.F.2020" at 366.95,84.879 h2.5
  text "StarGate 400 - DC/AC V1.0" at 194.595,24.725 h2.5 r90
Mechanical 1:
  lines w0.5: 195.375,26.012 148.6,26.012 148.6,72.425 195.375,72.425 ; 21.375,20.625 ccw(c26.375,20.625) 26.375,15.625 190.375,15.625 ccw(c190.375,20.625) 195.375,20.625 195.375,134.625 ccw(c190.375,134.625) 190.375,139.625 26.375,139.625 ccw(c26.375,134.625) 21.375,134.625 21.375,20.625

## Text inside footprints (layer, text, board x,y; h text height)
CMC1: Top Overlay "12 (mm)" at 102.954,126.32 h0.7 r90; Top Overlay "3" at 114.13,135.21 h0.7 r90; Top Overlay "4" at 104.732,135.21 h0.7 r90; Top Overlay "2" at 114.13,120.859 h0.7 r90; Top Overlay "*" at 106.309,126.525 h0.7 r180; Top Overlay "*" at 111.831,126.525 h0.7 r180; Top Overlay "DTS-20-V" at 121.242,124.415 h1 r90; Top Overlay "FERYSTER" at 97.874,124.542 h1 r90; Top Overlay "1" at 104.732,120.986 h0.7 r90; Top Overlay "7 (mm)" at 110.828,125.558 h0.7 r180